# Altium PCB PCB_EPS_2.PcbDoc (part 2 of 3)
Units mm, origin at the board's own origin, x right, y up, seen from the top; angles counter-clockwise.
Board outline 92.15 x 89.13 mm, 4 copper layers (Top Layer, Signal Layer 1, Signal Layer 2, Bottom Layer), stack 0.778 mm thick; 345 components, 202 nets, 1199 pads, 343 vias.
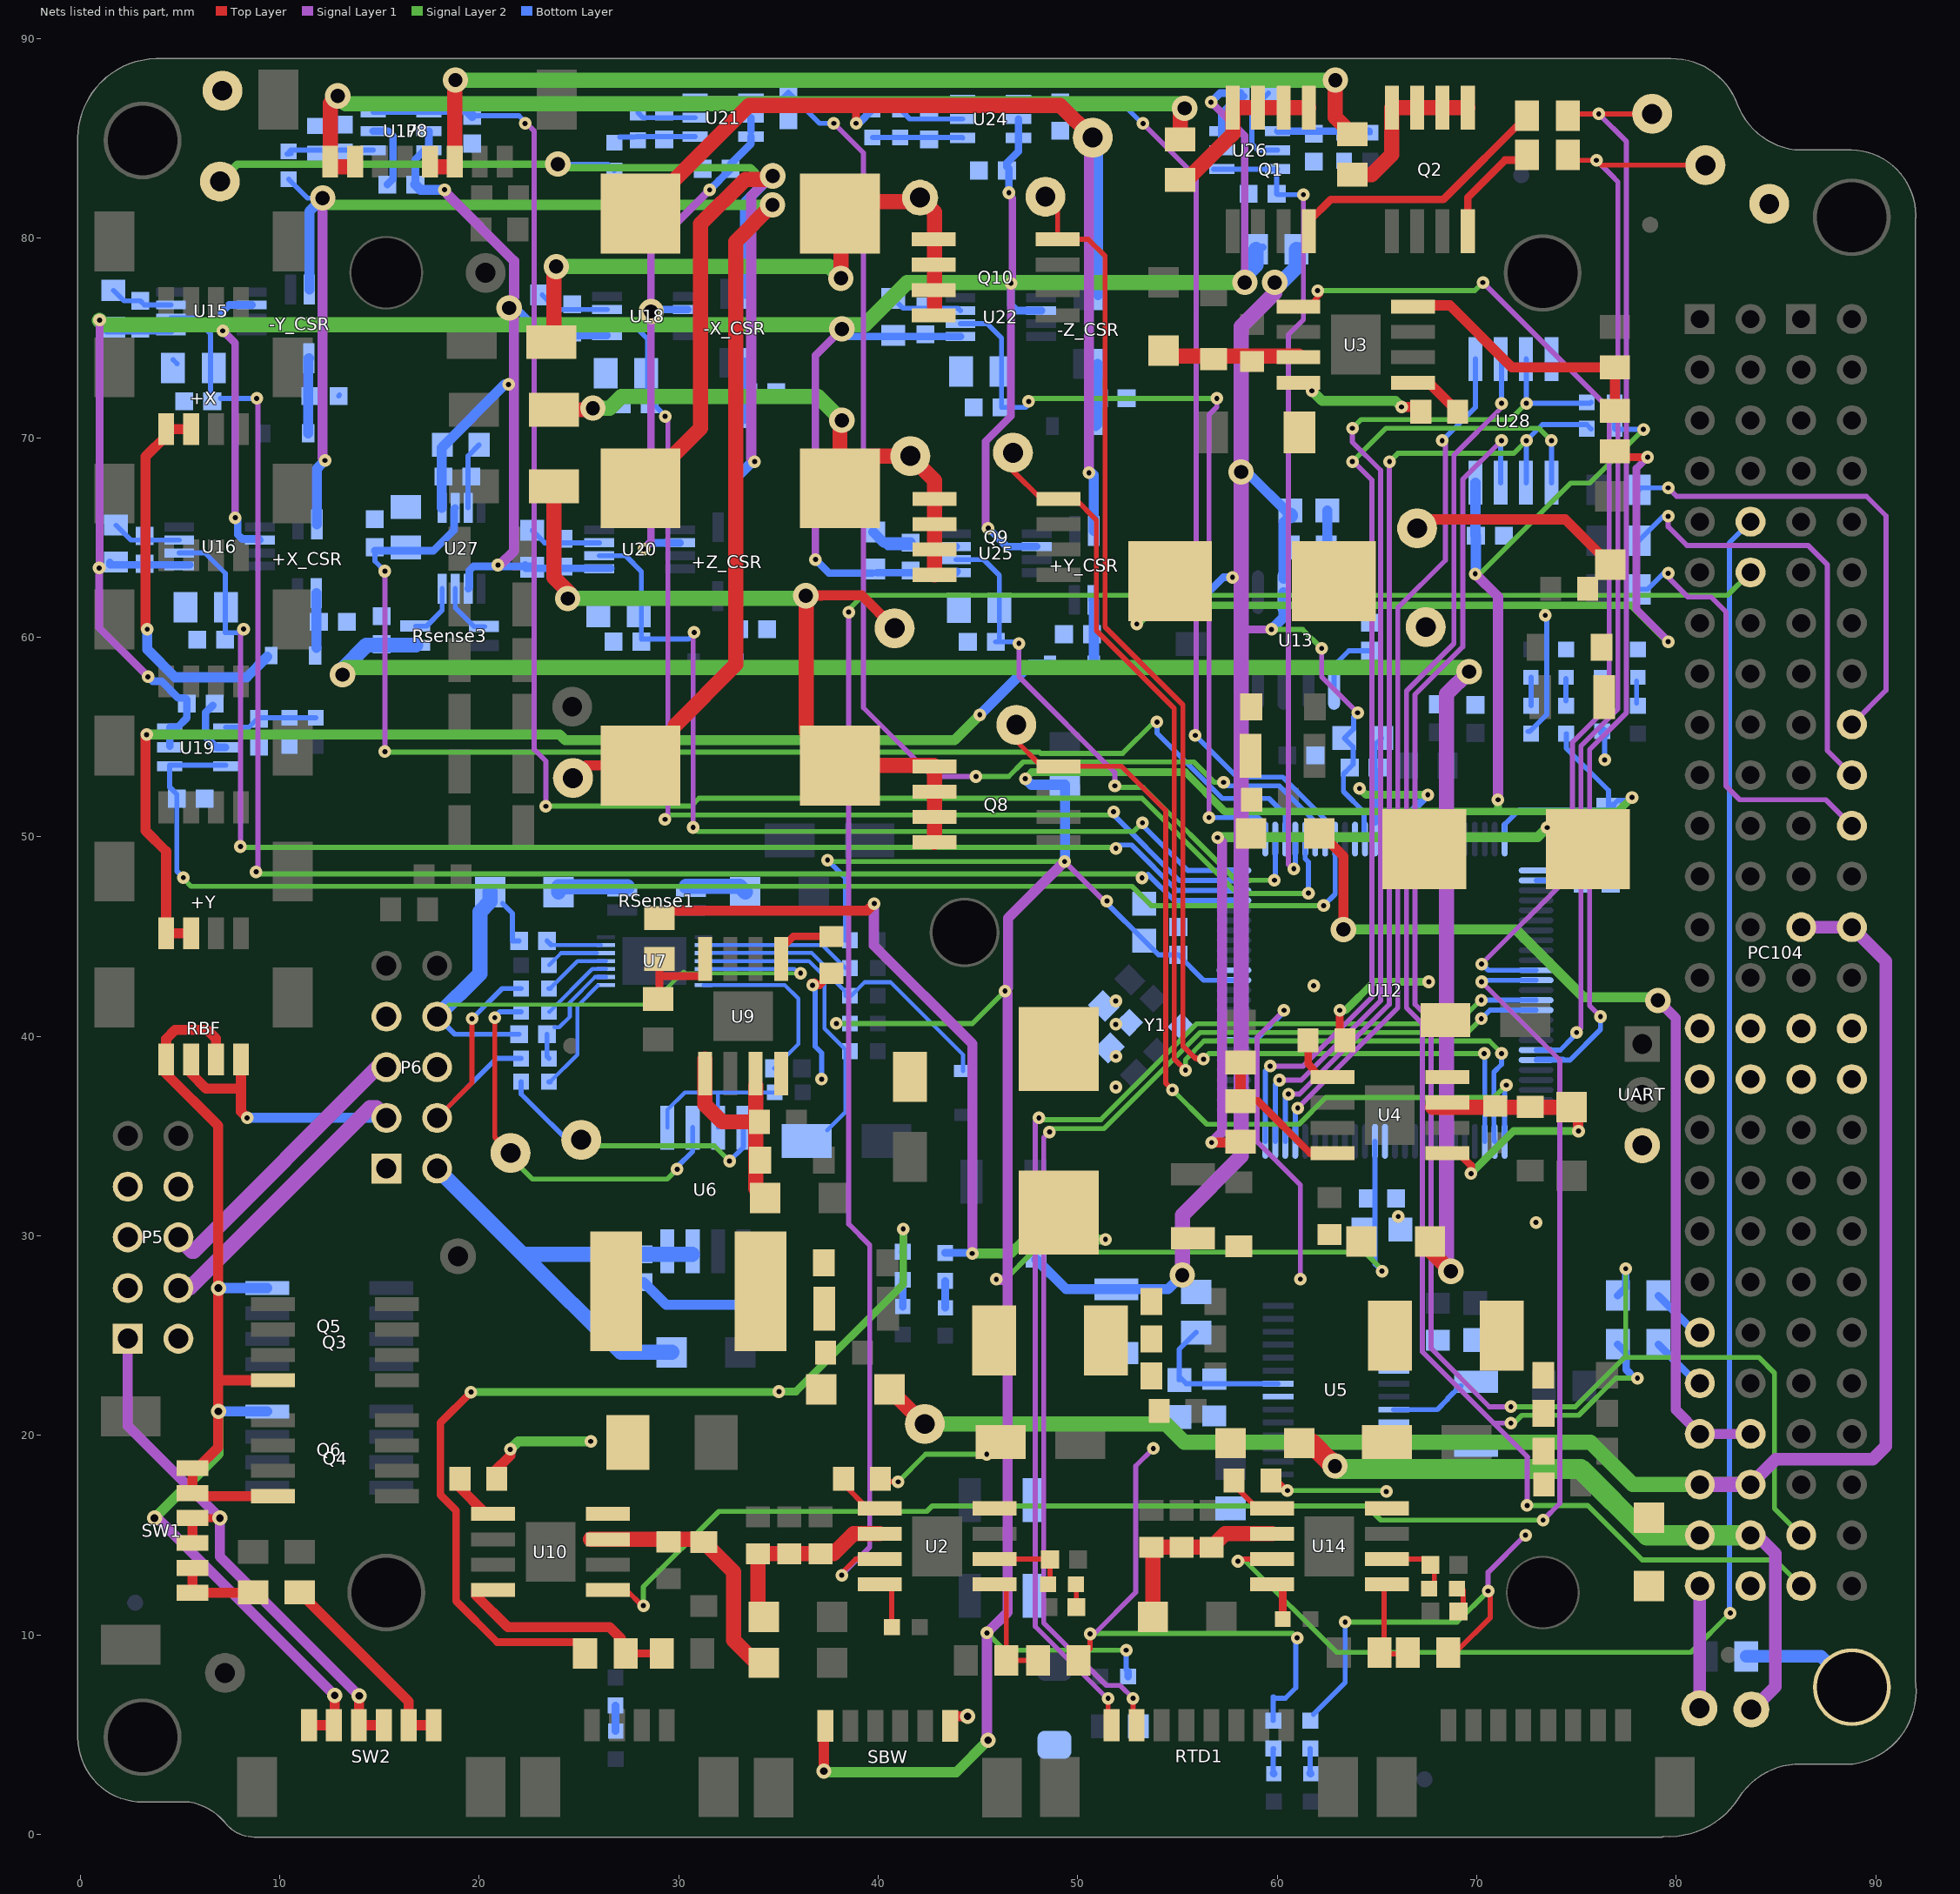
[diagram p4: the nets of this part, all layers, seen from the top]

## Via types
v1: diameter 0.635, hole 0.254, Top Layer to Bottom Layer, tented both sides, 254 vias
v2: diameter 1.27, hole 0.711, Top Layer to Bottom Layer, tented both sides, 53 vias
v3: diameter 1.27, hole 0.711, Top Layer to Bottom Layer, 27 vias
v4: diameter 0.762, hole 0.381, Top Layer to Bottom Layer, tented both sides, 9 vias

## Nets (pads, with @x,y where several pads share a name; then routed paths per layer and width w, separated by ;. In a path a pad name is that pad's centre, name@x,y a point inside that pad or via, vN(x,y) a via of type N, cw(c..) or ccw(c..) an arc to the next point about the centre after c; other vN are vias at no path point) (continued)
3V3_M: C71.2 C101.2 C102.1 C103.1 C104.1 C105.1 C106.1 C107.1 C108.2 C109.2 C110.2 C111.2 C112.2 C113.2 C114.2 C115.2 C116.2 C121.2 C130.1 J_V5.1 U15.1 U15.6 U16.1 U16.6 U17.5 U17.6 U18.1 U18.6 U19.5 U19.6 U20.1 U20.6 U21.5 U21.6 U22.1 U22.6 U24.5 U24.6 U25.1 U25.6 U26.5 U26.6 U27.1 U27.6 | length 248.8
  Signal Layer 1 w0.381: v1(0.948,63.474) 0.948,60.474 v1(3.396,58.026) ; v1@0.968,63.324 v1(0.968,75.904) ; v1(7.146,75.366) 7.762,74.75 v1@7.762,65.996 ; v1@28.256,64.436 28.606,64.786 v2(28.606,76.336) 28.606,79.486 v1(31.546,82.426) ; v1@36.846,63.976 36.846,74.126 v2(38.176,75.456) ; v1@45.378,65.436 45.378,69.823 46.646,71.091 v1(46.646,77.746) ; v1@46.426,82.316 46.726,82.016 v1@46.726,77.806 ; v1(56.676,86.826) 58.366,85.136 v2(58.366,77.786)
  Signal Layer 1 w0.508: v1@18.373,82.234 21.748,78.859 21.748,77.058 21.496,76.806 v2(21.496,76.506) 21.736,76.266 21.736,64.316 v1@21.046,63.626
  Signal Layer 2 w0.762: v1@0.968,75.886 1.178,75.676 39.336,75.676 41.446,77.786 v2(58.366,77.786)
  Bottom Layer w0.381: C106.1@1.486,63.761 1.486,63.636 3.226,63.636 U16.1@5.486,63.636 ; C105.1@1.516,75.541 1.334,75.359 U15.1@4.545,75.359 ; v1(3.396,58.026) 3.616,57.806 4.066,57.806 4.906,56.966 5.256,56.966 5.336,56.886 C115.2@5.336,56.686 5.336,55.956 4.872,55.492 4.485,55.492 U19.5@4.485,54.542 ; v1(7.146,75.366) 7.096,75.416 7.096,76.286 7.469,76.659 U15.6@8.595,76.659 ; v1(7.766,65.996) 7.889,65.873 7.889,65.152 8.105,64.936 8.95,64.936 U16.6@9.007,64.879 ; C114.2@16.796,82.696 16.796,83.946 17.476,84.626 U17.5@17.476,85.366 ; U27.6@19.441,62.441 19.498,62.498 19.498,63.344 19.713,63.559 C102.1@22.306,63.559 ; v2(21.496,76.506) 21.856,76.506 22.816,75.546 22.816,75.311 C103.1@23.156,75.311 ; C102.1@22.306,63.621 C102.1@22.306,63.559 ; C102.1@22.656,63.511 22.656,63.559 C102.1@22.306,63.559 ; C103.1@22.998,75.129 C109.2@24.656,75.129 ; C109.2@24.656,75.286 C109.2@24.656,75.129 ; U18.1@26.405,75.129 C109.2@24.656,75.129 ; U20.1@26.586,63.456 24.226,63.456 22.336,63.456 22.306,63.496 C102.1@22.306,63.559 ; v1(28.248,64.424) 28.564,64.739 U20.6@30.065,64.739 ; v2(28.606,76.336) 28.699,76.429 U18.6@30.455,76.429 ; v1(31.546,82.426) 31.788,82.668 31.799,82.668 32.014,82.884 32.014,82.894 32.596,83.476 C113.2@32.596,83.486 32.596,83.716 33.616,84.736 U21.6@33.616,85.097 ; 33.616,85.366 U21.5@33.616,86.047 ; v1(36.848,63.904) 37.534,63.218 C107.1@39.695,63.218 ; v2(38.176,75.456) 38.556,75.076 U22.1@44.116,75.076 ; C107.1@39.927,63.246 U25.1@43.896,63.246 U25.1@43.953,63.303 ; v1(45.508,65.474) 46.436,64.546 U25.6@47.946,64.546 ; v1(46.546,82.286) 46.546,83.496 46.446,83.596 46.446,83.775 47.027,84.356 U24.6@47.027,85.03 U24.5@47.027,85.98 ; v1(46.646,77.746) 46.646,76.676 46.946,76.376 U22.6@48.166,76.376 ; v1(56.676,86.826) 57.116,87.266 57.116,87.276 C121.2@58.156,87.276 ; U26.5@57.216,84.416 U26.6@57.216,85.366 57.216,86.266 58.061,87.111 C121.2@58.321,87.111 ; v2(58.366,77.786) v2@58.366,78.095 ; J_V5.1@58.924,79.45 59.02,79.546 J_V5.1@59.28,79.546
  Bottom Layer w0.508: C114.2@16.796,82.696 17.058,82.434 v1(18.258,82.434) ; U27.1@18.112,66.491 18.112,69.503 21.283,72.674 v1(21.468,72.674) ; C103.1@22.816,75.311 C103.1@22.998,75.129
  Bottom Layer w0.762: v2@58.366,78.095 58.924,78.653 J_V5.1@58.924,79.45
  other v1: 20.938,63.624
3V3_MCU: C58.1 C60.1 C122.1 C123.1 C124.1 C125.1 C133.1 J_V3.1 R61.2 R62.2 R63.1 R64.1 R65.1 R66.1 SBW.1 U12.25 U12.64 U12.89 U28.8 | length 210.9
  Top Layer w0.508: v4(37.269,3.181) SBW.1@37.269,5.45
  Signal Layer 1 w0.254: v1(49.336,48.766) 51.316,46.786 v1(51.456,46.786)
  Signal Layer 1 w0.508: v4(45.5,4.72) 45.446,4.774 v1(45.446,10.106) 46.476,11.136 46.476,27.796 ; v1(45.916,27.826) 45.946,27.796 46.476,27.796 ; v1(49.336,48.766) 46.502,45.933 46.502,42.433 v1(46.346,42.276) 46.476,42.146 46.476,27.796 ; v1(69.92,63.18) 71.06,62.04 v1(71.06,51.86)
  Signal Layer 2 w0.254: v1@37.466,48.806 37.506,48.766 v1(49.336,48.766) ; v1(37.896,40.646) 44.716,40.646 v1(46.346,42.276) ; v1(45.446,10.106) 46.316,9.236 v1(52.426,9.236) ; v1(45.916,27.826) 46.366,27.826 47.726,29.186 64.376,29.186 65.286,28.276 v1(65.246,28.236) ; v1(69.92,63.18) 70.149,63.18 74.7,67.731 75.661,67.731 v1(78.35,70.42) ; v1@78.455,70.315 v1@78.56,70.42
  Signal Layer 2 w0.381: v1(47.366,52.916) 47.692,53.242 55.39,53.242 57.356,51.276 71.14,51.276 ; v1(71.06,51.86) 71.06,51.396 71.16,51.296 71.14,51.276 ; v1(77.776,51.976) 77.076,51.276 71.14,51.276
  Signal Layer 2 w0.508: v4(37.269,3.181) 37.329,3.121 43.901,3.121 v4(45.5,4.72)
  Bottom Layer w0.254: v1(37.456,48.836) 38.346,47.946 R64.1@38.346,44.816 ; v1@51.456,46.676 C123.1@53.336,44.796 54.046,44.086 C122.1@55.036,44.086 56.306,42.816 U12.89@57.821,42.816 ; v1(52.426,9.236) 52.426,8.255 R62.2@52.524,8.156 ; U12.64@64.896,34.741 64.896,31.876 64.896,28.586 v1(65.246,28.236) ; U12.25@71.396,49.891 71.396,50.626 72.126,51.356 C60.1@76.596,51.356 76.596,52.331 74.479,54.448 R61.2@74.479,55.178 ; C60.1@76.811,51.571 77.07,51.83 77.63,51.83 v1(77.776,51.976) ; R65.1@76.908,70.45 R66.1@76.908,71.774 ; R65.1@76.938,70.42 R65.1@77.148,70.42 ; R65.1@77.118,70.45 R65.1@77.148,70.42 ; v1(78.35,70.42) R65.1@77.148,70.42
  Bottom Layer w0.381: v1@51.456,46.676 v1(51.456,46.786) ; R62.2@52.524,7.916 R62.2@52.524,8.156 ; C60.1@76.596,51.356 C60.1@76.811,51.571
  Bottom Layer w0.508: v1@47.426,52.856 47.672,52.61 J_V3.1@49.356,52.61 v1@49.356,48.776 ; v1(69.92,63.18) 69.95,63.21 C133.1@69.95,65.09 69.927,65.113 U28.8@69.927,67.75
3V3_OBDH: PC104.H1-45 PC104.H1-46 R16.1 | length 48.4
  Top Layer w0.508: R16.1@61.683,50.669 63.314,49.038 v2(63.314,45.36)
  Signal Layer 1 w0.508: v2(79.076,41.806) 79.966,40.916 79.966,21.286 PC104.H1-45@81.176,20.076 PC104.H1-46@83.716,20.076
  Signal Layer 2 w0.508: v2(63.314,45.36) 71.952,45.36 75.346,41.966 78.916,41.966 v2(79.076,41.806)
5V_PAYLOAD: 5V.1 PC104.H1-47 PC104.H1-48 PC104.H2-25 PC104.H2-26 R55.1 | length 84.5
  Top Layer w0.762: R55.1@40.57,22.306 42.3,20.576 5V.1@42.328,20.576
  Signal Layer 1 w0.635: PC104.H1-48@83.716,17.536 84.986,18.806 89.851,18.806 90.506,19.462 90.506,43.766 PC104.H2-26@88.796,45.476 PC104.H2-25@86.256,45.476
  Signal Layer 1 w0.762: PC104.H1-47@81.176,17.536 PC104.H1-48@83.716,17.536
  Signal Layer 2 w0.762: 5V.1@42.328,20.576 54.424,20.576 55.34,19.66 75.69,19.66 77.814,17.536 PC104.H1-47@81.176,17.536 PC104.H1-48@83.716,17.536
5V_Radio_Beacon: 5V_Beacon.1 PC104.H1-51 PC104.H1-52 R3.1 | length 5.3
  Signal Layer 1 w0.635: 5V_Beacon.1@81.14,7.13 81.176,7.166 PC104.H1-51@81.176,12.456
5V_Radio_Main: 5V_TCC.1 PC104.H1-49 PC104.H1-50 R10.1 | length 34
  Top Layer w1.016: R10.1@61.42,19.626 61.686,19.626 62.596,18.716 62.596,18.756 v2(62.886,18.466)
  Signal Layer 1 w0.635: PC104.H1-50@83.716,14.796 84.246,14.796 84.961,14.081 84.961,7.411 84.15,6.6 5V_TCC.1@83.75,6.6
  Signal Layer 2 w1.016: v2(62.886,18.466) 63.036,18.316 75.204,18.316 78.524,14.996 PC104.H1-49@81.176,14.996 PC104.H1-50@83.716,14.996
+RBF: C38.2 P5.1 P5.2 P5.3 P5.4 P6.1 P6.2 P6.3 P6.4 R33.1 R34.2 R93.1 RBF.1 RBF.3 SW1.3 SW1.4 SW2.3 SW2.4 U6.7 U6.8 | length 94.3
  Top Layer w0.254: P6.4@17.886,35.916 19.636,37.666 v1(19.636,40.886)
  Top Layer w0.381: SW1.3@5.63,15.86 v4(7,15.86)
  Top Layer w0.508: RBF.3@5.556,38.846 5.556,38.134 6.305,37.385 8.021,37.385 8.056,37.42 ; SW1.4@5.63,14.61 SW1.3@5.63,15.86 ; RBF.1@8.056,38.846 8.056,37.42 ; v1(8.366,35.916) 8.056,36.226 8.056,37.42 ; v4(13.98,6.95) 13.98,5.489 SW2.3@13.966,5.475 SW2.4@15.216,5.475
  Signal Layer 1 w0.508: P5.1@2.38,24.85 2.38,20.48 v4(7,15.86) 7,13.93 v4(13.98,6.95)
  Signal Layer 1 w0.762: P5.4@4.92,27.39 5.49,27.39 14.52,36.42 14.842,36.42 P6.3@15.346,35.916
  Bottom Layer w0.254: P6.4@17.886,35.916 20.864,38.894 R33.1@22.096,38.894 ; v1@19.626,40.876 v1(19.636,40.886) 21.149,42.399 R34.2@22.096,42.399
  Bottom Layer w0.381: U6.8@29.288,29.083 U6.8@29.395,29.087
  Bottom Layer w0.508: v1(8.366,35.916) P6.3@15.346,35.916
  Bottom Layer w0.762: P6.2@17.886,33.376 22.179,29.083 ; U6.8@29.288,29.083 C38.2@28.226,29.083 22.179,29.083 ; U6.8@29.395,29.087 U6.7@30.665,29.087 ; R93.1@29.646,24.17 27.092,24.17 22.179,29.083
-HEATER1_VOLTAGE: P8.7 P8.8 R32.1 | length 49.3
  Top Layer w0.762: v2(12.906,87.136) 12.526,86.756 P8.8@12.526,83.846 12.526,83.576 P8.7@13.776,83.576 ; R32.1@55.146,84.962 55.146,86.306 v2(55.356,86.516)
  Signal Layer 2 w0.762: v2(12.906,87.136) 13.306,86.736 55.135,86.736 v2(55.356,86.516)
-HEATER2_VOLTAGE: P8.3 P8.4 R28.1 | length 53
  Top Layer w0.762: P8.4@17.526,83.576 18.776,83.576 P8.3@18.776,83.846 18.776,87.906 v2(18.806,87.936) ; v2(62.906,87.926) 62.906,86.062 R28.1@63.756,85.212
  Signal Layer 2 w0.762: v2(18.806,87.936) 18.806,88.096 18.976,87.926 v2(62.906,87.926)
-RBF: Q3.2 Q4.2 Q5.2 Q6.2 RBF.2 RBF.4 SW1.1 SW1.2 SW2.1 SW2.2 | length 62.4
  Top Layer w0.508: RBF.2@6.806,38.846 6.806,39.884 6.37,40.32 4.75,40.32 4.306,39.876 RBF.4@4.306,38.846 4.306,38.124 6.906,35.524 6.906,22.766 ; Q3.2@9.656,22.766 6.906,22.766 ; Q4.2@9.666,16.956 5.784,16.956 SW1.2@5.63,17.11 SW1.1@5.63,18.36 5.87,18.36 6.906,19.396 6.906,22.766 ; SW2.1@11.466,5.475 SW2.2@12.716,5.475 12.64,5.551 12.75,5.661 v4(12.75,6.97)
  Signal Layer 1 w0.508: v4(3.72,15.86) 3.86,15.86 v4(12.75,6.97)
  Signal Layer 2 w0.508: v4(3.72,15.86) 6.926,19.066 v4(6.926,21.21)
  Bottom Layer w0.381: Q6.2@9.362,21.21 Q6.2@9.376,21.196
  Bottom Layer w0.508: v4(6.926,21.21) Q6.2@9.362,21.21 ; v4(6.926,27.386) Q5.2@9.376,27.386
-VBAT: C40.2 C41.2 P5.5 P5.6 P5.7 P5.8 P6.5 P6.6 P6.7 P6.8 R47.1 U7.12 | length 52.9
  Signal Layer 1 w0.762: P5.6@4.92,29.93 5.61,29.24 5.68,29.24 14.896,38.456 P6.5@15.346,38.456
  Signal Layer 2 w0.2: P6.8@17.886,40.996 18.476,41.586 28.576,41.586 30.236,43.246 30.336,43.146 30.356,43.166 v1(36.106,43.166)
  Bottom Layer w0.2: U7.12@31.246,43.376 35.806,43.376 v1@36.106,43.076
  Bottom Layer w0.254: P6.8@17.886,40.996 18.769,40.113 C41.2@21.996,40.113 ; R47.1@21.166,46.656 21.656,46.166 21.656,44.786 C40.2@21.996,44.786
  Bottom Layer w0.762: P6.8@17.886,40.996 20.026,43.136 20.026,46.246 20.541,46.762 R47.1@20.541,47.236
A3V3_EPS: C51.1 C59.1 C61.1 C62.2 C64.1 FB1.2 J_V4.2 J_V5.2 J_V6.2 U12.11 U13.2 | length 90
  Signal Layer 1 w0.254: v1(62.22,59.446) 62.22,58.022 v1(64.022,56.219)
  Signal Layer 1 w0.381: 58.182,60.628 58.41,60.4 v1(59.71,60.4)
  Signal Layer 1 w0.508: v2@59.866,77.256 v2(59.866,77.786)
  Signal Layer 1 w0.762: v2(55.236,28.036) 55.236,31.05 58.182,33.996 58.182,75.572 v2@59.866,77.256
  Signal Layer 2 w0.254: v1(59.71,60.4) 61.266,60.4 v1(62.22,59.446) ; v1@62.16,59.386 v1@62.22,59.326
  Bottom Layer w0.254: v1(64.022,56.219) 63.82,56.017 63.82,55.41 C61.1@63.356,54.946 63.796,54.506 63.796,53.636 C59.1@63.626,53.466 63.31,53.15 63.31,52.279 64.351,51.239 64.351,49.936 U12.11@64.396,49.891
  Bottom Layer w0.381: J_V4.2@55.664,61.706 55.996,61.706 57.3,63.01 v1(57.75,63.01)
  Bottom Layer w0.508: FB1.2@47.916,28.821 49.411,27.326 C51.1@51.926,27.326 54.526,27.326 v2(55.236,28.036) ; v2(58.182,68.29) 58.472,68.29 C64.1@60.646,66.116 ; v1(59.71,60.4) 60.301,60.991 U13.2@60.301,62.266 ; U13.2@60.316,62.936 60.316,65.776 C64.1@60.646,66.106 ; J_V5.2@60.956,79.45 61.052,79.546 J_V5.2@61.312,79.546
  Bottom Layer w0.762: v2(59.866,77.786) 60.186,77.786 60.956,78.556 J_V5.2@60.956,79.45 ; C64.1@60.646,66.106 C64.1@60.646,66.116
A3V3_HEATER: C34.1 C35.1 J_V6.1 U5.22 | length 7.8
  Bottom Layer w0.254: C35.1@55.086,22.776 55.086,24.32 J_V6.1@55.926,25.16 ; C35.1@55.096,22.936 55.436,22.596 U5.22@60.036,22.596
ADC1_I: C73.1 R67.2 U12.97 U15.2 | length 80.3
  Signal Layer 1 w0.254: v1(8.816,48.246) 8.906,48.336 v1@8.906,71.896
  Signal Layer 2 w0.254: v1(8.816,48.246) 8.918,48.144 49.594,48.144 49.596,48.146 53.196,48.146 v1@53.296,48.046
  Bottom Layer w0.254: U15.2@4.545,76.009 5.733,76.009 6.524,75.219 C73.1@6.524,72.146 ; C73.1@7.026,71.976 v1(8.846,71.976) ; 53.526,48.116 54.826,46.816 U12.97@57.821,46.816
  other v1: 53.216,47.946
ADC1_V: C84.2 U12.5 U17.3 U17.4 | length 86
  Signal Layer 1 w0.254: v1(22.296,85.756) 22.375,85.756 22.756,85.376 22.756,54.376 23.336,53.796 v1(23.336,51.536)
  Signal Layer 2 w0.254: v1@23.326,51.546 v1(23.336,51.536) ; v1@23.336,51.546 30.626,51.546 31.014,51.934 53.216,51.934 57.986,47.164 v1@61.541,47.164 ; v1(61.557,47.18) v1@61.541,47.164 ; v1@61.751,47.164 v1@61.541,47.164
  Bottom Layer w0.254: U17.3@14.676,86.316 U17.4@17.476,86.316 C84.2@19.476,86.316 ; C84.2@19.646,86.146 21.985,86.146 22.296,85.836 v1(22.296,85.756) ; U12.5@61.396,49.891 61.396,48.906 61.557,48.745 v1(61.557,47.18)
  Bottom Layer w0.508: C84.2@19.476,86.316 C84.2@19.646,86.146
ADC2_I: C75.1 R68.2 U12.98 U16.2 | length 68.7
  Signal Layer 1 w0.254: v1(8.026,49.516) 8.026,60.256 v1(8.186,60.416)
  Signal Layer 2 w0.254: v1(8.026,49.516) 8.069,49.473 v1@51.906,49.473
  Bottom Layer w0.254: U16.2@4.957,64.229 6.243,64.229 7.266,63.206 7.266,60.236 8.006,60.236 v1(8.186,60.416) v1@8.316,60.546 ; v1(51.906,49.426) 52.071,49.591 52.691,49.591 54.965,47.316 55.685,47.316 55.689,47.32 57.817,47.32 U12.98@57.821,47.316
ADC2_V: C91.2 U12.6 U21.3 U21.4 | length 64.1
  Signal Layer 1 w0.254: v1(37.766,85.766) 39.256,84.276 39.256,56.476 42.706,53.026 v1(44.896,53.026)
  Signal Layer 2 w0.254: v1(44.896,53.026) 46.536,53.026 47.266,53.756 55.816,53.756 56.836,52.736 v1(57.306,52.736)
  Bottom Layer w0.254: U21.3@30.816,86.997 U21.4@33.616,86.997 35.167,86.997 C91.2@35.496,87.326 37.056,85.766 v1(37.766,85.766) ; v1(57.306,52.736) 57.482,52.56 60.095,52.56 61.896,50.759 U12.6@61.896,49.891
ADC3_I: C85.1 R72.2 U12.99 U18.2 | length 56.9
  Signal Layer 1 w0.254: v1(29.306,50.876) 29.456,51.026 v1@29.456,70.926
  Signal Layer 2 w0.254: v1(29.306,50.876) 29.528,51.098 51.638,51.098 v1(51.796,51.256)
  Bottom Layer w0.254: U18.2@26.405,75.779 27.603,75.779 28.426,74.956 28.426,71.996 29.316,71.106 v1(29.316,71.076) ; v1(51.796,51.256) 51.796,51.096 55.076,47.816 U12.99@57.821,47.816
ADC3_V: C99.2 U12.7 U24.3 U24.4 | length 50.7
  Signal Layer 1 w0.254: v1(53.266,85.756) 55.926,83.096 55.926,55.128 v1(55.886,55.088)
  Bottom Layer w0.254: U24.3@44.227,86.93 U24.4@47.027,86.93 48.982,86.93 C99.2@49.116,86.796 52.186,86.796 v1@53.226,85.756 ; v1@55.732,55.242 v1(55.886,55.088) 57.982,52.992 60.274,52.992 62.396,50.87 U12.7@62.396,49.891
ADC4_I: C89.1 R75.2 U12.100 U20.2 | length 47.1
  Signal Layer 1 w0.254: v1(30.716,50.476) v1@30.716,60.246
  Signal Layer 2 w0.254: v1(30.716,50.476) 30.926,50.266 52.796,50.266 v1(53.236,50.706)
  Bottom Layer w0.254: U20.2@26.015,64.089 27.333,64.089 28.126,63.296 28.126,59.916 30.496,59.916 v1@30.836,60.256 ; v1(30.716,50.476) v1@30.85,50.61 ; v1(53.236,50.706) 53.236,50.586 55.506,48.316 U12.100@57.821,48.316
  other v1: 30.766,60.246
ADC5_I: C94.1 R79.2 U12.1 U22.2 | length 41.7
  Signal Layer 1 w0.254: v1(56.576,50.966) 56.576,71.156 56.97,71.55 v1(56.97,71.976)
  Signal Layer 2 w0.254: v1@47.646,71.716 47.646,71.936 47.686,71.976 v1(56.97,71.976)
  Bottom Layer w0.254: U22.2@44.116,75.726 45.456,75.726 46.176,75.006 C94.1@46.176,71.526 47.376,71.526 v1@47.526,71.676 ; v1(56.576,50.966) 59.036,50.966 59.396,50.606 U12.1@59.396,49.891
  other v1: 47.536,71.826
ADC6_I: C100.1 R83.2 U12.2 U25.2 | length 28.1
  Signal Layer 1 w0.254: v1(47.046,59.696) 47.046,58.026 51.856,53.216 v1(51.856,52.556)
  Signal Layer 2 w0.254: v1(51.856,52.556) 51.926,52.486 53.275,52.486 57.93,47.83 v1(59.85,47.83)
  Bottom Layer w0.254: U25.2@43.896,63.896 45.276,63.896 46.066,63.106 C100.1@46.066,59.906 ; C100.1@45.886,59.776 46.966,59.776 v1(47.046,59.696) ; v1(59.85,47.83) 59.896,47.876 U12.2@59.896,49.891
ADC7_I: C129.1 R36.2 U12.3 U27.2 | length 65.1
  Signal Layer 1 w0.254: v1(15.266,54.276) v1(15.266,63.316)
  Signal Layer 2 w0.254: v1@15.266,54.251 48.073,54.251 48.136,54.188 52.246,54.188 53.814,55.756 v1(53.966,55.756)
  Bottom Layer w0.254: C129.1@14.766,64.345 14.766,63.816 v1(15.266,63.316) ; v1(53.966,55.756) 53.966,55.196 57.236,51.926 59.586,51.926 60.396,51.116 U12.3@60.396,49.891
  Bottom Layer w0.381: C129.1@14.766,64.345 17.706,64.345 18.734,65.373 18.734,66.434 U27.2@18.791,66.491
ADC_BUS: C119.2 U12.4 U26.3 U26.4 | length 41.4
  Signal Layer 1 w0.254: v1(60.83,48.4) 60.76,48.4 60.55,48.61 60.55,75.166 61.306,75.922 v1(61.306,82.186)
  Bottom Layer w0.254: U26.4@56.806,83.466 U26.4@57.216,83.466 U26.3@60.016,83.466 59.966,83.416 C119.2@59.966,82.226 60.006,82.186 v1(61.306,82.186) ; U12.4@60.896,49.891 60.896,48.616 v1@60.916,48.596
ADC_TOTAL_V: C87.2 U12.8 U19.3 U19.4 | length 69.9
  Signal Layer 2 w0.254: v1@5.216,47.856 5.548,47.524 52.718,47.524 53.684,46.558 59.577,46.558 ; 59.578,46.558 60.093,46.558 ; 60.094,46.558 v1(62.32,46.558)
  Bottom Layer w0.254: v1(5.166,47.956) 4.836,48.286 4.836,52.136 4.485,52.487 4.485,53.592 U19.3@7.285,53.592 ; v1(62.32,46.558) 62.896,47.134 U12.8@62.896,49.891
ADD_I2C_SCL_BUF: PC104.H1-43 R88.1 | length 2.9
  Bottom Layer w0.381: R88.1@79.092,24.568 81.044,22.616 PC104.H1-43@81.176,22.616
ADD_I2C_SDA_BUF: PC104.H1-41 R87.1 | length 2.9
  Bottom Layer w0.381: R87.1@79.092,27.008 80.944,25.156 PC104.H1-41@81.176,25.156
ADD_PC104_GPIO0: PC104.H2-18 R89.1 | length 24.2
  Signal Layer 1 w0.254: v1(79.593,67.489) 80.013,67.07 89.53,67.07 90.51,66.09 90.51,57.35 PC104.H2-18@88.796,55.636
  Bottom Layer w0.254: R89.1@78.123,67.4 78.213,67.489 v1(79.593,67.489)
ADD_PC104_GPIO1: PC104.H2-20 R90.1 | length 22.3
  Signal Layer 1 w0.254: v1(79.593,66.07) 79.593,65.537 80.52,64.61 86.6,64.61 87.56,63.65 87.56,54.332 PC104.H2-20@88.796,53.096
  Bottom Layer w0.254: R90.1@78.123,64.85 79.344,66.07 v1(79.593,66.07)
ADD_PC104_GPIO2: PC104.H2-22 R91.1 | length 21.5
  Signal Layer 1 w0.254: v1(79.593,63.21) 79.593,63.007 80.58,62.02 81.75,62.02 82.48,61.29 82.48,52.557 83.177,51.86 87.492,51.86 PC104.H2-22@88.796,50.556
  Bottom Layer w0.254: R91.1@78.123,62.41 78.56,62.41 79.36,63.21 v1(79.593,63.21)
AGND: C34.2 C35.2 C36.2 C51.2 C59.2 C61.2 C62.1 C63.2 C64.2 C66.2 C71.1 C72.1 C73.2 C74.1 C75.2 C76.1 C83.1 C84.1 C85.2 C86.1 C87.1 C88.1 C89.2 C90.1 C91.1 C93.1 C94.2 C97.1 C98.1 C99.1 C100.2 C101.1 C102.2 C103.2 C104.2 C105.2 C106.2 C107.2 C108.1 C109.1 C110.1 C111.1 C112.1 C113.1 C114.1 C115.1 C116.1 C119.1 C120.1 C121.1 C128.1 C129.2 C130.2 FB4.1 pad.4@7.126,87.396 R27.1 R36.1 R67.1 R68.1 R71.1 R72.1 R73.1 R75.1 R76.1 R79.1 R82.1 R83.1 R86.1 U5.6 U5.10 U5.21 U12.10 U12.12 U12.15 U12.83 U13.4 U15.3 U16.3 U17.2 U18.3 U19.2 U20.3 U21.2 U22.3 U24.2 U25.3 U26.2 U27.3 | length 76.3
  Signal Layer 1 w0.254: v1(60.331,41.31) 58.98,39.959 58.98,34.72 61.15,32.55 v1@61.15,27.92
  Signal Layer 2 w0.381: v1(64.12,52.43) 64.444,52.106 v1(67.543,52.106)
  Bottom Layer w0.254: C105.2@1.666,77.391 2.191,76.866 C111.1@3.006,76.866 3.213,76.659 U15.3@4.545,76.659 ; C106.2@1.796,65.621 2.538,64.879 U16.3@4.957,64.879 ; R67.1@4.65,73.916 R67.1@4.846,73.72 ; C72.1@12.946,72.096 C72.1@12.996,72.146 ; U27.3@19.441,66.491 19.441,69.096 C130.2@19.991,69.646 ; C102.2@22.656,65.361 23.278,64.739 U20.3@26.015,64.739 ; C103.2@23.156,77.161 23.888,76.429 U18.3@26.405,76.429 ; R76.1@27.946,86.305 28.203,86.047 U21.2@30.816,86.047 ; C104.2@40.746,76.991 41.241,76.496 43.996,76.496 U22.3@44.116,76.376 ; R82.1@41.102,86.453 41.575,85.98 U24.2@44.227,85.98 ; C93.1@52.446,71.976 C93.1@52.506,71.976 ; U12.83@57.821,39.816 58.94,39.816 60.331,41.207 v1(60.331,41.31) ; C121.1@59.556,87.276 58.716,86.436 58.716,84.736 59.036,84.416 U26.2@60.016,84.416 ; C59.2@64.896,53.336 64.896,54.626 C61.2@65.216,54.946
  Bottom Layer w0.381: C115.1@6.646,56.596 6.283,56.233 6.283,55.03 6.826,54.486 U19.2@7.286,54.486 ; U17.2@14.676,85.366 15.436,85.366 15.679,85.123 15.679,82.979 C114.1@15.396,82.696 ; C107.2@40.27,64.753 40.477,64.546 U25.3@43.896,64.546 ; U12.12@64.896,50.756 C59.2@64.896,53.336 ; U12.15@66.396,50.756 66.396,50.959 v1(67.543,52.106)